# Altium PCB DemetrioGurgel - PCEIoT.PcbDoc (part 2 of 3) (continued)
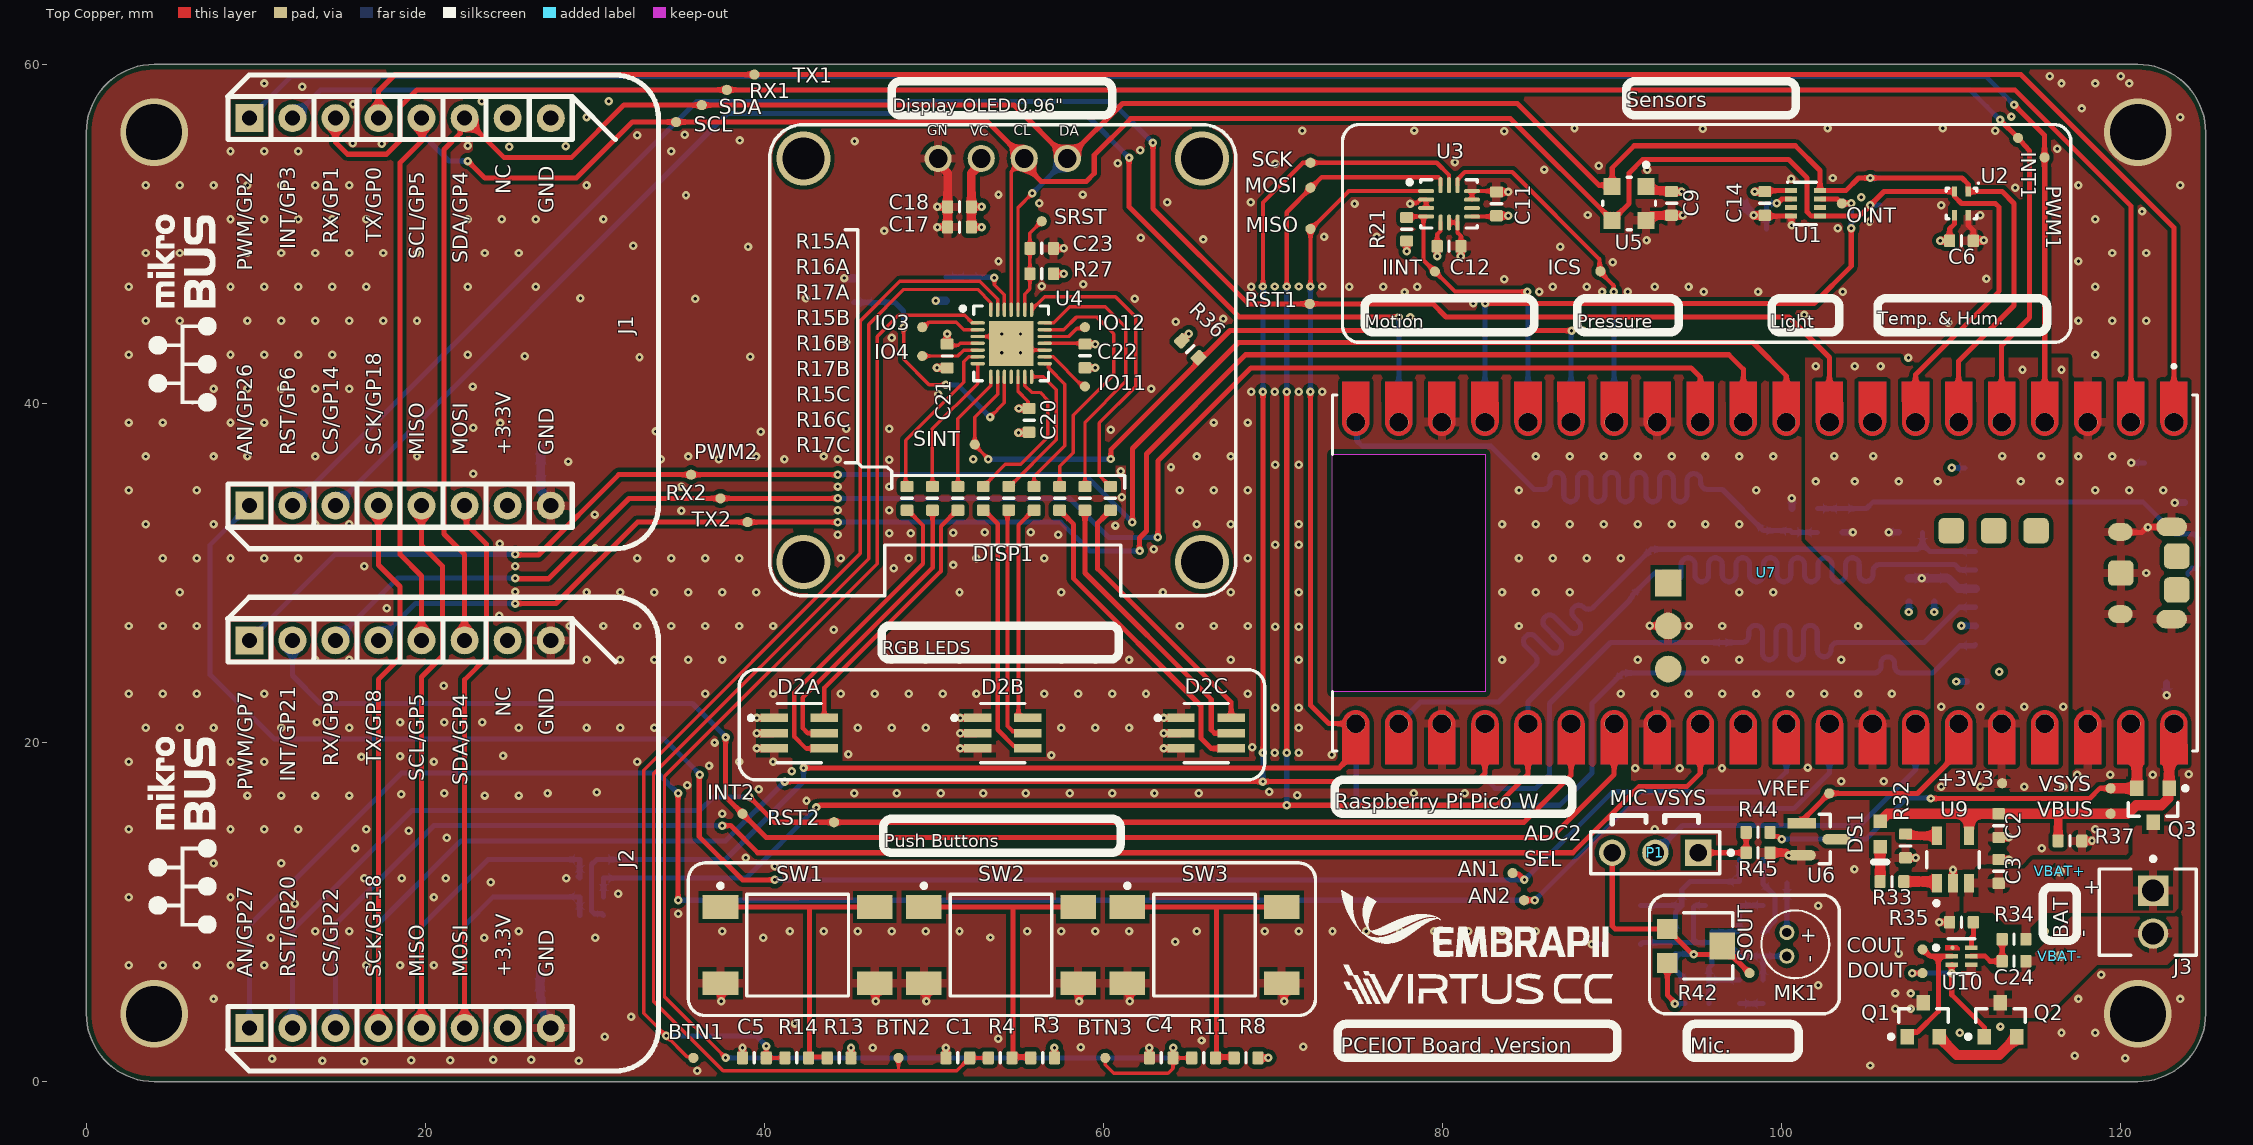
[diagram p0: Top Copper view]
## Nets (pads, with @x,y where several pads share a name; then routed paths per layer and width w, separated by ;. In a path a pad name is that pad's centre, name@x,y a point inside that pad or via, vN(x,y) a via of type N, cw(c..) or ccw(c..) an arc to the next point about the centre after c; other vN are vias at no path point) (continued)
  Bottom Copper w0.3: v1(88.8,8.1) L2.2@89.4,8.1 ; v1(110.024,36.2) SKT1.14@110.8,36.2 ; v1(120.624,36.5) SKT1.13@121.4,36.5
  Bottom Copper w0.4: C19.1@100.6,33.8 v1(100.6,34.4) ; v1(107.5,27.7) C15.2@107.5,28.3 ; v1(109,27.7) C16.2@109,28.3 ; v1(110.3,23.6) SKT1.11@110.9,23.6 ; v1(110.6,26.9) 110.61,26.89 111.42,26.89 SKT1.6@111.43,26.88 ; v1(122.7,22.8) 122.7,23.51 SKT1.12@122.71,23.52 ; v1(123.176,34.153) SKT1.10@123.776,34.153
  Bottom Copper w0.5: C27.2@26.762,6.439 C28.2@26.762,5.003 26.843,4.922 26.843,4.229 27.39,3.681 J2.8@27.39,3.37 ; C26.2@26.8,37.4 C25.2@26.8,36.1 26.8,34.871 27.39,34.281 J1.8@27.39,33.97 ; v1(44.7,47.4) R31.2@45.3,47.4 ; v1(50.103,46.062) R30.2@50.703,46.062 ; R20.2@97.65,51.8 v1(98.35,51.1)
  other v1: 36.025,0.65 105.225,0.95 16.4,1.2 13.925,1.225 29.05,1.225 19.15,1.25 21.45,1.25 24,1.3 26.25,1.3 10.95,1.35 120.25,1.375 117.275,1.525 46.375,2 58.65,2.025 71.775,2.05 65.775,2.425 53.775,2.525 30.575,2.65 110.5,2.875 116.5,2.875 118.5,2.875 112.9,3.25 41.775,3.425 32.125,3.825 106.7,4.3 107.6,4.3 70.65,4.75 7.5,4.875 117.5,4.875 123.5,4.875 106.7,5.2 107.6,5.2 102.15,5.675 118.85,6.3 2.5,6.875 4.5,6.875 6.5,6.875 8.5,6.875 10.5,6.875 16.5,6.875 18.5,6.875 20.5,6.875 106.9,7.55 64.225,8.25 10.875,8.475 23.475,8.475 30.025,8.475 39.925,8.475 53.325,8.5 13.5,8.875 15.5,8.875 25.5,8.875 37.5,8.875 41.5,8.875 43.5,8.875 45.5,8.875 47.5,8.875 49.5,8.875 51.5,8.875 55.5,8.875 57.5,8.875 59.5,8.875 61.5,8.875 65.5,8.875 69.5,8.875 71.5,8.875 73.5,8.875 75.5,8.875 77.5,8.875 79.5,8.875 81.5,8.875 83.5,8.875 85.5,8.875 115.5,8.875 34.9,9.9 102.15,10.375 12.3,10.5 2.5,10.875 8.5,10.875 20.5,10.875 31.375,11.075 23.85,11.75 16.4,12 18.6,12 21.2,12 28.3,12 104.289,12.533 40.6,12.7 7.5,12.875 11.5,12.875 38.9,13.2 15.85,13.775 115.325,13.775 21.25,14.375 19.025,14.8 2.5,14.875 8.5,14.875 10.5,14.875 12.5,14.875 16.5,14.875 92.5,14.875 118.5,14.875 37.5,15.8 42.475,16.575 9.5,16.875 11.5,16.875 13.5,16.875 15.5,16.875 23.5,16.875 25.5,16.875 71.425,16.9 18.575,16.95 21.1,17 27.2,17 45.3,17 47.8,17 50.4,17 52.9,17 55.4,17 58,17 60.5,17 63,17 65.6,17 78.3,17 81.3,17 30.1,17.075 69.775,17.1 39.65,17.25 35.45,17.475 103.5,17.725 106.025,17.725 117.425,18.1 119.375,18.1 121.875,18.1 124,18.125 41.6,18.3 91.35,18.475 93.975,18.475 96.475,18.475 101.525,18.525 36.725,18.625 2.5,18.875 8.5,18.875 10.5,18.875 20.5,18.875 32.5,18.875 38.5,18.875 40.5,18.875 16.225,19.15 18.5,19.2 24.575,19.225 56.925,19.25 73.45,19.275 44.95,19.3 70.1,19.4 71.5,19.4 68.775,19.725 37.05,20 3.5,20.875 5.5,20.875 7.5,20.875 11.5,20.875 15.5,20.875 25.5,20.875 29.5,20.875 31.5,20.875 33.5,20.875 45.5,20.875 47.5,20.875 49.5,20.875 57.5,20.875 59.5,20.875 61.5,20.875 71.5,20.875 13.6,21.2 18.5,21.2 21.1,21.2 23.35,21.2 70.125,22.05 71.5,22.05 2.5,22.875 4.5,22.875 6.5,22.875 10.5,22.875 36.5,22.875 40.5,22.875 44.5,22.875 46.5,22.875 48.5,22.875 50.5,22.875 52.5,22.875 56.5,22.875 58.5,22.875 60.5,22.875 62.5,22.875 68.5,22.875 90.5,22.875 92.5,22.875 94.5,22.875 96.5,22.875 98.5,22.875 100.5,22.875 102.5,22.875 104.5,22.875 106.5,22.875 21.075,23.35 112.825,24.175 13.5,24.875 15.5,24.875 29.5,24.875 31.5,24.875 33.5,24.875 35.5,24.875 37.5,24.875 47.5,24.875 49.5,24.875 51.5,24.875 57.5,24.875 59.5,24.875 61.5,24.875 67.5,24.875 71.5,24.875 83.5,24.875 91.5,24.875 95.5,24.875 97.5,24.875 103.5,24.875 44.075,26.65 70.125,26.825 71.5,26.825 2.5,26.875 4.5,26.875 6.5,26.875 28.5,26.875 30.5,26.875 32.5,26.875 34.5,26.875 36.5,26.875 38.5,26.875 40.5,26.875 48.5,26.875 50.5,26.875 52.5,26.875 56.5,26.875 58.5,26.875 64.5,26.875 66.5,26.875 68.5,26.875 84.5,26.875 94.5,26.875 96.5,26.875 104.5,26.875 24.35,27.475 17.725,27.925 5.5,28.875 29.5,28.875 31.5,28.875 33.5,28.875 35.5,28.875 37.5,28.875 39.5,28.875 51.5,28.875 57.5,28.875 63.5,28.875 67.5,28.875 71.5,28.875 83.5,28.875 85.5,28.875 87.5,28.875 97.5,28.875 99.5,28.875 25.3,28.9 121.5,30 47.625,30.275 16.4,30.4 25.3,30.4 51.125,30.475 4.5,30.875 6.5,30.875 8.5,30.875 10.5,30.875 12.5,30.875 32.5,30.875 34.5,30.875 36.5,30.875 38.5,30.875 44.5,30.875 48.5,30.875 52.5,30.875 56.5,30.875 68.5,30.875 84.5,30.875 86.5,30.875 88.5,30.875 90.5,30.875 62.95,31.4 30,31.475 70.125,31.675 71.5,31.675 24.375,31.725 44.325,32.25 57.325,32.25 47.35,32.35 48.625,32.35 51.125,32.375 53,32.4 55.7,32.4 60.7,32.8 3.5,32.875 7.5,32.875 13.5,32.875 15.5,32.875 65.5,32.875 67.5,32.875 71.5,32.875 83.5,32.875 85.5,32.875 87.5,32.875 89.5,32.875 91.5,32.875 93.5,32.875 95.5,32.875 97.5,32.875 29.975,33.45 35.1,33.675 44.325,33.7 47.35,33.7 61.075,34.475 2.5,34.875 6.5,34.875 64.5,34.875 66.5,34.875 68.5,34.875 84.5,34.875 98.5,34.875 118.5,34.875 120.5,34.875 122.5,34.875 35.1,35.1 44.325,35.1 47.35,35.1 22.825,35.85 61,36 63.975,36.25 70.125,36.375 71.5,36.375 28.425,36.575 47.35,36.675 33.875,36.7 37.3,36.7 41.175,36.7 44.325,36.7 52.3,36.7 3.5,36.875 7.5,36.875 9.5,36.875 13.5,36.875 19.5,36.875 35.5,36.875 39.5,36.875 43.5,36.875 65.5,36.875 67.5,36.875 85.5,36.875 87.5,36.875 89.5,36.875 91.5,36.875 93.5,36.875 95.5,36.875 97.5,36.875 99.5,36.875 117.5,36.875 119.5,36.875 39.775,38.325 33.575,38.35 60.425,38.45 44.825,38.5 47.35,38.5 22.825,38.575 24.409,38.85 2.5,38.875 4.5,38.875 8.5,38.875 10.5,38.875 66.5,38.875 68.5,38.875 50.25,40.55 68.7,40.7 70.1,40.7 71.5,40.7 72.9,40.7 7.5,40.875 9.5,40.875 11.5,40.875 13.5,40.875 15.5,40.875 62.8,40.875 22.8,41 107.475,42.7 32.625,42.725 39.15,42.75 25.85,42.775 2.5,42.875 8.5,42.875 10.5,42.875 12.5,42.875 14.5,42.875 22.5,42.875 118.5,42.875 54,43 55.1,43 44.825,43.6 47.5,43.875 54,44.1 55.1,44.1 88.3,44.3 109.825,44.775 64.25,44.825 3.5,44.875 5.5,44.875 9.5,44.875 11.5,44.875 13.5,44.875 15.5,44.875 17.5,44.875 19.5,44.875 117.5,44.875 119.5,44.875 121.5,44.875 67.05,45 78.1,45.1 101.325,45.225 81.8,45.9 35.918,46.168 42.443,46.193 61.825,46.175 29.143,46.218 77.75,46.575 85.7,46.6 89.4,46.6 90.925,46.6 95.4,46.6 98.6,46.6 103.6,46.6 2.5,46.875 8.5,46.875 10.5,46.875 12.5,46.875 14.5,46.875 16.5,46.875 22.5,46.875 26.5,46.875 68.7,46.875 74.5,46.875 76.5,46.875 78.5,46.875 86.5,46.875 88.5,46.875 92.5,46.875 94.5,46.875 118.5,46.875 70.1,46.9 71.5,46.9 72.9,46.9 56.35,46.925 58.8,47.025 83.625,47.325 112.075,47.35 90.025,48.325 53.8,48.4 117.5,48.4 3.5,48.875 5.5,48.875 9.5,48.875 11.5,48.875 13.5,48.875 15.5,48.875 17.5,48.875 19.5,48.875 23.5,48.875 25.5,48.875 119.5,48.875 121.5,48.875 39.025,49.25 86.925,49.25 32.25,49.3 92.025,49.625 65.875,49.675 62.2,49.775 73,49.825 76.1,49.825 47.05,50.175 103.297,50.325 105.175,50.725 8.5,50.875 10.5,50.875 12.5,50.875 14.5,50.875 16.5,50.875 22.5,50.875 24.5,50.875 26.5,50.875 30.5,50.875 118.5,50.875 111.7,51.1 88.558,51.117 121.25,51.325 109.4,51.7 74.8,51.775 56.2,51.8 63.75,51.875 68.675,51.875 104.7,52.175 35.368,52.293 53.8,52.325 58.775,52.325 113.775,52.725 3.5,52.875 5.5,52.875 7.5,52.875 9.5,52.875 11.5,52.875 13.5,52.875 15.5,52.875 29.5,52.875 117.5,52.875 123.5,52.875 100.55,53.25 102.997,53.3 92.075,53.775 86,53.8 89.2,54.025 70.125,54.15 60.825,54.175 80.725,54.225 8.5,54.875 10.5,54.875 12.5,54.875 34.5,54.875 62.165,54.941 116.25,55.025 24.95,55.15 28.275,55.175 22.5,55.2 17.425,55.325 15.7,55.35 45.309,55.463 38.534,55.513 32.5,55.825 35.3,55.85 71.725,56.075 83.633,56.067 112.6,56.075 78.325,56.1 95.35,56.2 87.775,56.225 102.7,56.225 109.5,56.225 29.5,56.875 123.5,56.875 113.55,56.925 117.7,57.4 15.725,57.65 23.325,57.825 30.8,57.825 12.725,58.675 10.5,58.875 116.5,58.875 118.5,58.875 120.5,58.875 115.8,59.3 120,59.3
  other v2: 4,4 121,4 4,56 121,56
GP0/MB1_TX: J1.13 TX1.1 U7.1 | length 123.1
  Top Copper w0.3: J1.13@17.23,56.83 17.23,58.43 18.2,59.4 TX1.1@39.4,59.4 39.746,59.4 114.1,59.4 123.132,50.368 U7.1@123.132,38.893
GP1/MB1_RX: J1.14 RX1.1 U7.2 | length 125.8
  Top Copper w0.3: J1.14@14.69,56.83 14.69,55.41 15.4,54.7 17.7,54.7 18.5,55.5 18.5,57.5 19.5,58.5 RX1.1@37.778,58.5 ; RX1.1@37.981,58.5 38.372,58.5 113.75,58.5 120.592,51.658 U7.2@120.592,38.893
GP2/MB1_PWM: J1.16 PWM1.1 U7.4 | length 125.3
  Top Copper w0.3: v1(113.7,57.625) 115.5,55.825 115.5,53.912 115.512,53.9 U7.4@115.512,38.893
  Bottom Copper w0.3: J1.16@9.61,56.83 12.08,59.3 112.025,59.3 v1(113.7,57.625)
GP3/MB1_INT: INT1.1 J1.15 U7.5 | length 121.4
  Top Copper w0.3: v1(112.875,56.725) INT1.1@113.934,55.666 114.35,55.201 114.625,54.894 114.625,45.075 112.972,43.422 U7.5@112.972,38.893
  Bottom Copper w0.3: J1.15@12.15,56.83 13.82,58.5 111.1,58.5 112.093,57.507 v1(112.875,56.725)
GP4/I2C0_SDA: DISP1.4 J1.11 J2.11 R23.1 SDA.1 U1.8 U2.1 U4.24 U5.2 U7.6 | length 159.7
  Top Copper w0.2: U4.24@54.95,45.525 54.95,51.54 55.8,52.39 v1(55.8,52.4)
  Top Copper w0.3: J2.11@22.31,26.03 22.31,31.09 21.1,32.3 21.1,54.982 22.052,55.934 22.052,56.572 J1.11@22.31,56.83 24.64,54.5 28.6,54.5 31.7,57.6 SDA.1@36.294,57.6 54.71,57.6 DISP1.4@57.86,54.45 61.11,57.7 84.4,57.7 89.226,52.874 89.926,52.874 U5.2@90,52.8 90,53.9 91.3,55.2 100.797,55.2 102.257,53.74 U1.8@102.257,52.55 ; U1.8@102.357,52.55 103.775,52.55 104.525,53.3 v1(105.225,53.3) 110.625,53.3 111,52.925 U2.1@111,52.5 113,52.5 113.7,51.8 113.7,45.775 110.432,42.507 U7.6@110.432,38.893
  Bottom Copper w0.3: v1(55.8,52.4) 55.805,52.4 57.855,54.45 DISP1.4@57.86,54.45 ; v1(105.225,53.3) R23.1@105.797,53.3 ; U7.6@110.4,38.925 U7.6@110.432,38.893
GP5/I2C0_SCL: DISP1.3 J1.12 J2.12 R22.1 SCL.1 U1.5 U2.2 U4.25 U5.3 U7.7 | length 165.4
  Top Copper w0.2: U4.25@54.55,45.525 54.55,53.68 DISP1.3@55.32,54.45
  Top Copper w0.3: J2.12@19.77,26.03 19.77,29.83 18.5,31.1 18.5,54.2 19.8,55.5 19.8,56.8 J1.12@19.77,56.83 ; v1(22.5,54.3) 23.5,53.3 28.9,53.3 32.2,56.6 SCL.1@34.783,56.6 53.17,56.6 DISP1.3@55.32,54.45 55.32,54.098 56.318,53.1 58.975,53.1 59.45,53.575 59.45,54.65 61.6,56.8 84,56.8 U5.3@90,50.8 91,51.8 91,53.6 91.8,54.4 100.397,54.4 101.497,53.3 101.497,51.3 101.747,51.05 102.357,51.05 104.575,51.05 106.025,52.5 U2.2@110.2,52.5 110.2,52.2 110.6,51.8 112.6,51.8 112.825,51.575 112.825,46.625 107.892,41.692 U7.7@107.892,38.893
  Bottom Copper w0.3: J1.12@19.77,56.83 19.919,56.681 19.919,55.775 21.394,54.3 v1(22.5,54.3) ; v1(105.225,51.7) R22.1@105.797,51.7
GP6/MB1_RST: J1.2 RST1.1 U7.9 | length 112.9
  Top Copper w0.3: v1(62.911,55.367) 62.911,51.489 68.525,45.875 72.659,45.875 72.953,45.875 79.425,45.875 80.2,45.1 100.425,45.1 102.812,42.713 U7.9@102.812,38.893
  Bottom Copper w0.3: J1.2@12.15,33.97 35.98,57.8 60.478,57.8 v1(62.911,55.367)
GP7/MB2_PWM: J2.16 PWM2.1 U7.10 | length 106.4
  Top Copper w0.3: v1(25.3,31.1) 25.338,31.062 26.662,31.062 31.4,35.8 v1(44.325,35.8) ; v1(61.7,33) 61.7,37.35 67.95,43.6 98.3,43.6 100.272,41.628 U7.10@100.272,38.893
  Bottom Copper w0.3: J2.16@9.61,26.03 14.68,31.1 v1(25.3,31.1) ; v1(44.325,35.8) 58.9,35.8 v1(61.7,33)
GP8/MB2_TX: J2.13 TX2.1 U7.11 | length 95.5
  Top Copper w0.3: v1(25.3,28.2) 27.7,28.2 32.5,33 v1(44.325,33) ; v1(62.125,31.3) 62.113,31.312 62.113,32.064 62.525,32.476 62.525,37.025 68.375,42.875 96.875,42.875 97.732,42.018 U7.11@97.732,38.893
  Bottom Copper w0.3: J2.13@17.23,26.03 19.4,28.2 v1(25.3,28.2) ; v1(44.325,33) 57.475,33 59.175,31.3 v1(62.125,31.3)
GP9/MB2_RX: J2.14 RX2.1 U7.12 | length 94.6
  Top Copper w0.3: v1(25.3,29.7) 25.338,29.662 27.262,29.662 32,34.4 v1(44.325,34.4) ; v1(63.2,32.1) 63.2,36.6 68.7,42.1 94.65,42.1 95.2,41.55 95.2,38.9 U7.12@95.192,38.893
  Bottom Copper w0.3: J2.14@14.69,26.03 18.36,29.7 v1(25.3,29.7) ; v1(44.325,34.4) 58,34.4 60.3,32.1 v1(63.2,32.1) ; U7.12@95.192,38.893 U7.12@95.2,38.9
GP10/MOT_CSn: ICS.1 U3.12 U7.14 | length 21
  Top Copper w0.25: U3.12@80.875,52.875 80.875,53.225 81.3,53.65 84.1,53.65 89.249,48.501 89.249,47.8 90.083,46.967 90.083,46.617 v1(90.1,46.6)
  Bottom Copper w0.3: U7.14@90.112,38.893 v1@90.112,46.588
GP11/SX_INTn: R36.1 SINT.1 U4.9 U7.15 | length 49.1
  Top Copper w0.2: v1(53.2,36.7) 53.2,36.741 52.4,37.541 SINT.1@52.4,37.581 52.4,39.2 53.75,40.55 U4.9@53.75,41.575
  Top Copper w0.3: v1(60.425,36.725) 60.425,37.275 67.45,44.3 v1(87.6,44.3)
  Bottom Copper w0.3: v1(53.2,36.7) 53.212,36.712 60.413,36.712 v1(60.425,36.725) ; U7.15@87.572,38.893 87.572,44.272 v1(87.6,44.3)
GP12/ICM_INT1: IINT.1 R21.2 U3.4 U7.16 | length 18.5
  Top Copper w0.25: R21.2@77.825,51.025 U3.4@78.875,51.025 ; v1(85,46.6) 80.725,46.6 79.9,47.425 78.875,48.45 U3.4@78.875,51.025 ; U3.4@78.875,51.025 U3.4@79.025,51.025 U3.4@78.875,51.025
  Bottom Copper w0.3: v1(85,46.6) 85.032,46.568 U7.16@85.032,38.893
GP13/OPT_INT: OINT.1 R12.2 U1.7 U7.17 | length 35.8
  Top Copper w0.3: v1(82.5,45.9) 101.9,45.9 104.097,48.097 v1(104.097,50.325) ; U1.7@102.357,52.05 103.293,52.05 OINT.1@103.543,51.8 v1(104.097,51.8)
  Bottom Copper w0.3: U7.17@82.492,38.893 82.492,45.892 v1(82.5,45.9) ; R12.2@103.397,51.8 v1(104.097,51.8) v1(104.097,50.325)
GP14/MB1_CS: J1.3 U7.19 | length 85.2
  Top Copper w0.3: v1(61.5,54.5) 61.5,51.6 68,45.1 v1(77.4,45.1)
  Bottom Copper w0.3: J1.3@14.69,33.97 37.82,57.1 58.9,57.1 v1(61.5,54.5) ; v1(77.4,45.1) 77.412,45.088 U7.19@77.412,38.893
GP16/SPI0_RX: MISO.1 NT4.1 R5.1 R7.1 U3.1 U7.21 | length 92.4
  Top Copper w0.25: v1(72.2,46.9) 72.2,50.261 74.464,52.525 U3.1@79.025,52.525
  Top Copper w0.3: v1(42.3,18.5) 73.9,18.5 74.872,19.472 U7.21@74.872,21.113 73.287,21.113 72.2,22.2 v1(72.2,40.7)
  Bottom Copper w0.3: R7.1@30.5,9.8 30.4,9.9 29.976,9.9 29.8,10.076 29.8,12.8 30.1,13.1 R5.1@30.5,13.1 37.7,13.1 42.3,17.7 v1(42.3,18.5) ; v1(72.2,40.7) v1(72.2,46.9)
GP17/SPI0_CSn: NT1.1 U7.22
GP18/SPI0_SCK: J1.4 J2.4 NT2.1 SCK.1 U3.13 U7.24 | length 156.4
  Top Copper w0.25: v1(69.4,46.9) 69.4,51.85 71.751,54.201 72.044,54.201 SCK.1@72.122,54.122 ; SCK.1@72.2,54.2 79.65,54.2 80.375,53.475 U3.13@80.375,52.875
  Top Copper w0.3: J2.4@17.23,3.17 17.23,23.73 18.5,25 18.5,29.2 17.23,30.47 J1.4@17.23,33.97 ; v1(41.2,17.7) v1(69.4,17.7) 82,17.7 82.492,18.192 U7.24@82.492,21.113 ; v1(69.4,19.4) v1(69.4,40.7)
  Bottom Copper w0.3: J2.4@17.23,3.57 17.23,9.33 22.1,14.2 37.7,14.2 v1(41.2,17.7) ; v1(69.4,17.7) v1(69.4,19.4) ; v1(69.4,40.7) v1(69.4,46.9)
GP19/SPI0_TX: MOSI.1 NT3.1 R6.1 R9.1 U3.14 U7.25 | length 106.5
  Top Copper w0.25: v1(70.8,46.9) 70.8,51.281 72.249,52.729 72.869,53.35 79.75,53.35 79.875,53.225 U3.14@79.875,52.875
  Top Copper w0.3: v1(43.048,16.171) 43.102,16.171 43.231,16.3 v1(70.8,16.3) 83.2,16.3 85.032,18.132 U7.25@85.032,21.113 ; v1(70.8,19.4) v1(70.8,40.7)
  Bottom Copper w0.3: R9.1@30.5,10.9 R6.1@30.5,12 38.9,12 43.048,16.148 v1(43.048,16.171) ; v1(70.8,16.3) v1(70.8,19.4) ; v1(70.8,40.7) v1(70.8,46.9) ; NT3.1@85.027,21.118 U7.25@85.032,21.113
GP20/MB2_RST: J2.2 RST2.1 U7.26 | length 88.9
  Top Copper w0.3: v1(39.1,16.8) 40.6,15.3 RST2.1@44.1,15.3 84.8,15.3 87.572,18.072 U7.26@87.572,21.113
  Bottom Copper w0.3: J2.2@12.15,3.57 12.15,8.95 19.2,16 36.2,16 37,16.8 v1(39.1,16.8)
GP21/MB2_INT: INT2.1 J2.15 U7.27 | length 90.6
  Top Copper w0.3: v1(37.7,20.3) 37.7,16.8 INT2.1@38.7,15.8 40.1,14.4 86.4,14.4 90.112,18.112 U7.27@90.112,21.113
  Bottom Copper w0.3: J2.15@12.15,26.03 12.15,23.95 13.8,22.3 35.754,22.3 37.7,20.354 v1(37.7,20.3)
GP22/MB2_CS: J2.3 U7.29 | length 94.2
  Top Copper w0.3: v1(37.5,15.1) 38,15.1 39.6,13.5 87.675,13.5 91.575,17.4 94.4,17.4 95.192,18.192 U7.29@95.192,21.113
  Bottom Copper w0.3: J2.3@14.69,3.57 14.69,9.29 20.5,15.1 v1(37.5,15.1)
GP26/MB1_ADC: AN1.1 J1.1 U7.31 | length 119.5
  Top Copper w0.3: v1(36.175,18.1) 36.15,18.075 36.15,14.45 38.7,11.9 v1(40.6,11.9) ; AN1.1@84.124,12.3 84.181,12.243 84.481,12.243 v1(84.824,11.9) ; 100.272,19.072 U7.31@100.272,21.113
  Bottom Copper w0.3: J1.1@9.61,33.97 7.3,31.66 7.3,24 11.1,20.2 34.1,20.2 36.175,18.125 v1(36.175,18.1) ; v1(40.6,11.9) v1(84.824,11.9) 90.024,17.1 99.1,17.1 100.272,18.272 U7.31@100.272,21.113
GP27/MB2_ADC: AN2.1 J2.1 U7.32 | length 117.4
  Top Copper w0.3: v1(34.9,10.7) v1(34.9,17) ; AN2.1@84.8,10.7 v1(85.424,10.7) ; 102.812,19.742 U7.32@102.812,21.113
  Bottom Copper w0.3: J2.1@9.61,3.57 9.61,9.21 18.6,18.2 33.7,18.2 v1(34.9,17) ; v1(34.9,10.7) v1(85.424,10.7) 90.824,16.1 100.7,16.1 102.812,18.212 U7.32@102.812,21.113
GP28/ADC2: P1.2 U7.34 | length 20.1
  Bottom Copper w0.3: P1.2@92.54,13.5 94.14,15.1 104.6,15.1 107.892,18.392 U7.34@107.892,21.113
IO3: IO3.1 U4.2 | length 3.6
  Top Copper w0.2: IO3.1@49.3,44.5 49.408,44.5 49.708,44.8 51.3,44.8 51.75,44.35 U4.2@52.575,44.35
IO4: IO4.1 U4.5 | length 3.4
  Top Copper w0.2: IO4.1@49.3,42.8 51.4,42.8 51.75,43.15 U4.5@52.575,43.15
IO11: IO11.1 U4.16 | length 3.1
  Top Copper w0.2: U4.16@56.525,42.75 57.02,42.75 58.693,41.077 58.823,41.077 IO11.1@58.9,41
IO12: IO12.1 U4.19 | length 2.6
  Top Copper w0.2: U4.19@56.525,43.95 57.95,43.95 58.423,44.423 58.823,44.423 IO12.1@58.9,44.5
LED_BA: R17A.2 U4.8 | length 7.3
  Top Copper w0.2: R17A.2@51.404,35.104 51.404,39.104 53.35,41.05 U4.8@53.35,41.575
LED_BB: R17B.2 U4.15 | length 8.6
  Top Copper w0.2: R17B.2@55.904,35.104 55.904,35.704 57.704,37.504 57.704,41.146 56.758,42.092 56.758,42.35 U4.15@56.513,42.35
LED_BC: R17C.2 U4.22 | length 18.1
  Top Copper w0.2: U4.22@55.75,45.525 56.525,46.3 60.7,46.3 61.9,45.1 61.9,41 59.75,38.85 59.75,35.757 R17C.2@60.404,35.104
LED_GA: R16A.2 U4.7 | length 8.4
  Top Copper w0.2: R16A.2@49.904,35.104 49.904,38.504 52.575,41.175 U4.7@52.575,42.35
LED_GB: R16B.2 U4.14 | length 8.7
  Top Copper w0.2: R16B.2@54.404,35.104 54.453,35.104 57.204,37.854 57.204,40.804 56.432,41.575 U4.14@55.75,41.575
LED_GC: R16C.2 U4.21 | length 16.1
  Top Copper w0.2: U4.21@56.525,44.75 57.05,44.75 58,45.7 60.1,45.7 61.3,44.5 61.3,41.3 58.904,38.904 R16C.2@58.904,35.104
LED_RA: R15A.2 U4.6 | length 9.8
  Top Copper w0.2: R15A.2@48.404,35.104 48.319,35.189 48.319,37.819 51.75,41.25 51.75,42.45 52.05,42.75 U4.6@52.575,42.75
LED_RB: R15B.2 U4.13 | length 9.5
  Top Copper w0.2: R15B.2@52.904,35.104 52.953,35.104 53.184,35.334 53.184,35.384 54.204,36.404 55.104,36.404 56.704,38.004 56.704,40.196 56.25,40.65 55.75,40.65 55.35,41.05 U4.13@55.35,41.575
LED_RC: R15C.2 U4.20 | length 15.1
  Top Copper w0.2: U4.20@56.525,44.35 57.65,44.35 58.4,45.1 59.6,45.1 60.6,44.1 60.6,41.7 58.204,39.304 58.204,37.104 57.404,36.304 R15C.2@57.404,35.104
MB1_MISO: J1.5 J2.5 R5.2 R6.2 | length 50
  Top Copper w0.3: J2.5@19.77,3.17 19.77,23.87 21,25.1 21,30.4 19.77,31.63 J1.5@19.77,33.97
  Bottom Copper w0.3: J2.5@19.77,3.17 19.77,9.17 23.7,13.1 R5.2@29.1,13.1 R6.2@29.1,12 R6.2@29,12.1
MB1_MOSI: J1.6 J2.6 R7.2 R9.2 | length 46.5
  Top Copper w0.3: J2.6@22.31,3.17 22.31,23.71 23.6,25 23.6,31.7 22.422,32.878 22.422,33.858 J1.6@22.31,33.97
  Bottom Copper w0.3: J2.6@22.31,3.17 22.31,9.21 24,10.9 R9.2@29.1,10.9 R7.2@29.1,9.8
MIC_OUT: C30.2 P1.3 R42.1 R42.2 SOUT.1 U8.4 | length 17
  Top Copper w0.3: P1.3@90,13.5 90,9.176 90.176,9 R42.1@93.25,9 94.75,7.5 v1@94.811,7.5 ; v1(94.8,7.5) 96,7.5 R42.2@96.5,8 ; R42.2@96.5,8.05 R42.2@96.5,8 ; SOUT.1@98.1,6.4 R42.2@96.5,8
  Bottom Copper w0.3: C30.2@94.3,6 94.3,6.05 94.12,6.23 94.07,6.23 93.725,6.575 U8.4@93.725,7.55 93.75,7.525 94.775,7.525 v1(94.8,7.5)
NetC7_2: C7.2 R1.1 R38.2 | length 4.9
  Bottom Copper w0.3: C7.2@98.9,8.8 98.95,8.8 99.18,9.03 99.18,9.08 99.6,9.5 99.6,10.95 98.9,11.65 R38.2@98.9,11.7 R1.1@98.9,13.1
NetC23_1: C23.1 R27.1 SRST.1 U4.23 | length 5.6
  Top Copper w0.2: U4.23@55.35,45.525 55.35,46.451 55.65,46.751 R27.1@55.65,47.65 C23.1@55.65,49.15 55.65,50.05 SRST.1@56.35,50.75
NetC24_2: C24.2 R34.1 U10.5 | length 3.2
  Top Copper w0.3: U10.5@111.175,7.4 112,7.4 112.3,7.1 C24.2@113,7.1 113,7.4 R34.1@113,8.4
NetC29_1: C29.1 R39.1 R40.2 U8.1 | length 4.6
  Bottom Copper w0.3: U8.1@95.875,8.85 95.9,8.825 97.475,8.825 R40.2@97.5,8.8 R39.1@97.5,10.4 C29.1@98.9,10.4
NetC29_2: C29.2 MK1.P R38.1 | length 2.9
  Bottom Copper w0.3: MK1.P@100.3,8.8 C29.2@100.3,10.4 R38.1@100.3,11.7
NetC30_1: C30.1 R41.2 R43.1 U8.3 | length 4.8
  Bottom Copper w0.3: R43.1@95.7,4.6 95.7,6.7 95.875,6.875 U8.3@95.875,7.55 ; C30.1@95.7,6 R41.2@97.5,6
NetC31_2: C31.2 R41.1 | length 1.4
  Bottom Copper w0.3: R41.1@97.5,4.6 C31.2@98.9,4.6
NetCOUT_1: COUT.1 Q1.1 U10.2 | length 7.6
  Top Copper w0.3: Q1.1@107.4,2.65 107.4,2.673 107.65,2.923 108.013,2.923 109.235,4.144 109.235,7.4 ; COUT.1@108.3,7.8 108.349,7.8 108.749,7.4 109.235,7.4 ; U10.2@110.025,7.4 109.235,7.4
NetD2A_4: D2A.4 R15A.1 | length 19
  Top Copper w0.254: D2A.4@43.525,19.65 42.45,19.65 41.75,20.35 41.75,22.95 49.35,30.55 49.35,32.807 48.453,33.704 R15A.1@48.404,33.704
NetD2A_5: D2A.5 R16A.1 | length 17.4
  Top Copper w0.254: D2A.5@43.525,20.55 42.55,20.55 42.25,20.85 42.25,22.65 49.916,30.316 49.916,33.691 R16A.1@49.904,33.704
NetD2A_6: D2A.6 R17A.1 | length 15.5
  Top Copper w0.254: D2A.6@43.525,21.45 43.525,23.225 50.411,30.111 50.411,32.76 51.354,33.704 R17A.1@51.404,33.704
NetD2B_4: D2B.4 R15B.1 | length 15.6
  Top Copper w0.254: R15B.1@52.904,33.704 52.953,33.704 53.75,32.907 53.75,20.75 54.727,19.773 55.402,19.773 D2B.4@55.525,19.65
NetD2B_5: D2B.5 R16B.1 | length 14.1
  Top Copper w0.254: R16B.1@54.404,33.704 54.33,33.629 54.33,20.97 54.627,20.673 54.703,20.673 ; 54.703,20.673 55.402,20.673 D2B.5@55.525,20.55
NetD2B_6: D2B.6 R17B.1 | length 13.1
  Top Copper w0.254: D2B.6@55.525,21.45 55.098,21.45 54.975,21.573 54.975,32.825 55.854,33.704 R17B.1@55.904,33.704
NetD2C_4: D2C.4 R15C.1 | length 19
  Top Copper w0.3: R15C.1@57.404,33.704 57.453,33.704 57.634,33.523 57.634,33.474 58.236,32.871 58.236,29.664 65.75,22.15 65.75,20.25 66.35,19.65 D2C.4@67.525,19.65
NetD2C_5: D2C.5 R16C.1 | length 17.3
  Top Copper w0.3: R16C.1@58.904,33.704 58.904,29.996 66.35,22.55 66.35,20.75 66.55,20.55 D2C.5@67.525,20.55
NetD2C_6: D2C.6 R17C.1 | length 15.9
  Top Copper w0.3: R17C.1@60.404,33.704 60.354,33.704 60.174,33.523 60.174,33.474 59.65,32.95 59.65,30.25 67.525,22.375 D2C.6@67.525,21.45
NetDOUT_1: DOUT.1 Q2.1 U10.3 | length 7.7
  Top Copper w0.2: v1(107.7,6.4) DOUT.1@108.3,6.4
  Top Copper w0.3: U10.3@110.025,6.9 v1(110.025,6.391) 110.025,5.125 111.95,3.2 Q2.1@111.95,2.875
  Bottom Copper w0.3: v1@107.705,6.395 110.02,6.395 v1(110.025,6.391)
NetDS1_2: DS1.2 R33.2 | length 2.1
  Top Copper w0.6: R33.2@105.8,11.8 DS1.2@105.8,13.85
NetQ1_2: Q1.2 Q2.2 | length 5.4
  Top Copper w0.6: Q1.2@109.3,2.65 109.3,2.6 110.325,1.575 112.825,1.575 113.75,2.5 Q2.2@113.825,2.5
NetR3_1: R3.1 R4.1 SW2.1 SW2.2 | length 19
  Top Copper w0.3: SW2.1@49.403,10.303 54.65,10.303 ; R3.1@55.75,1.45 54.65,1.45 54.65,10.303 ; SW2.2@58.497,10.303 54.65,10.303
NetR8_1: R8.1 R11.1 SW3.1 SW3.2 | length 24.3
  Top Copper w0.3: R8.1@67.75,1.45 66.65,1.45 66.65,10.269 66.619,10.3 ; SW3.2@70.5,10.3 66.619,10.3 ; 66.619,10.3 SW3.1@61.4,10.3 66.619,10.3
NetR10_2: R10.2 R20.1 U1.2 | length 3
  Top Copper w0.3: v1(99.697,51.8) 99.751,51.8 100.001,52.05 U1.2@100.537,52.05
  Bottom Copper w0.3: R10.2@99.097,50.3 99.097,51.8 v1(99.697,51.8)
NetR13_1: R13.1 R14.1 SW1.1 SW1.2 | length 19.1
  Top Copper w0.3: SW1.1@37.4,10.3 42.015,10.3 42.65,10.3 ; R13.1@43.75,1.45 42.65,1.45 42.65,10.3 ; SW1.2@46.5,10.3 42.65,10.3
NetR18_1: R18.1 R26.2 SKT1.9 | length 26
  Bottom Copper w0.3: R26.2@102.1,33.8 R18.1@103.6,33.8 105,33.8 105.4,34.2 121.3,34.2 123.2,32.3 124.3,32.3 124.55,32.05 124.55,30.456 124.374,30.28 124.21,30.28 123.97,30.04 SKT1.9@123.97,29.905
NetR32_2: R32.2 U9.5 | length 1.9
  Top Copper w0.5: R32.2@107.3,14.6 107.35,14.6 107.45,14.5 U9.5@109.15,14.5
NetR33_1: R33.1 U9.1 | length 2
  Top Copper w0.6: R33.1@107.2,11.8 109.15,11.8 U9.1@109.15,11.7
NetR35_2: R35.2 U10.6 | length 1.6
  Top Copper w0.3: U10.6@111.175,7.9 111.2,7.925 111.2,8.5 111.3,8.6 R35.2@111.3,9.4
NetR42_3: R42.3 R43.2 | length 3.2
  Top Copper w0.3: R42.3@93.25,7 93.25,5.104 93.7,4.654 v1(93.7,4.6)
  Bottom Copper w0.3: v1(93.7,4.6) R43.2@94.3,4.6
NetSKT1_1: SKT1.1
NetSKT1_8: SKT1.8
SX15_ADDR0: R19.2 R30.1 U4.26 | length 5
  Top Copper w0.2: v1(53.55,47.425) 53.56,47.415 53.56,47.007 54.15,46.417 U4.26@54.15,45.525
  Bottom Copper w0.3: R30.1@50.703,47.462 R19.2@52.103,47.462 52.121,47.444 53.531,47.444 v1(53.55,47.425)
SX15_ADDR1: R24.2 R31.1 U4.10 | length 15.2
  Top Copper w0.2: v1(48.2,44.5) 48.2,42.6 49.7,41.1 v1(50.7,41.1) ; v1(53.3,39.2) 54.15,40.05 U4.10@54.15,41.575
  Bottom Copper w0.3: R31.1@45.258,45.96 45.3,45.96 46.7,45.96 47.69,45.96 48.2,45.45 v1(48.2,44.5) ; v1(50.7,41.1) 51.4,41.1 v1(53.3,39.2)
VBAT+: C3.1 J3.1 Q3.3 R34.2 U9.3 VBAT+.1
VBAT-: C24.1 J3.2 Q2.3 U10.4 VBAT-.1
VBUS: C2.1 DS1.1 Q3.1 R37.1 U7.40 U9.4 VBUS.1 | length 25
  Top Copper w0.5: R37.1@116.3,14.2 116.3,15.8
  Top Copper w0.6: DS1.1@105.8,15.35 106.25,15.8 111.05,15.8 ; U9.4@111.05,14.5 111.05,15.8 ; U7.40@123.132,21.113 122.85,20.83 Q3.1@122.85,17.3 122.8,17.25 122.8,16.701 122.399,16.3 120.9,16.3 120.4,15.8 VBUS.1@119.4,15.8 116.3,15.8 113.2,15.8 111.05,15.8
VREF: U6.1 U7.35 VREF.1 | length 12.9
  Top Copper w0.3: U6.1@100.943,15.143 100.943,15.148 101.285,15.49 101.29,15.49 VREF.1@102.8,17 108,17 110.3,19.3 110.3,20.98 U7.35@110.432,21.113
VSYS: Q3.2 R44.2 U7.39 VSYS.1 | length 27.1
  Top Copper w0.3: R44.2@99.3,14.7 99.3,14.65 99.48,14.47 99.776,14.47 99.946,14.3 v1(100,14.3) ; v1(108.8,16.7) 118.162,16.7 118.762,17.3 VSYS.1@119.4,17.3
  Top Copper w0.6: VSYS.1@119.4,17.3 120.925,17.3 120.95,17.275 120.95,19.14 120.592,19.498 U7.39@120.592,21.113
  Bottom Copper w0.3: v1(100,14.3) 104.968,14.3 107.406,16.738 108.762,16.738 v1(108.8,16.7)
VSYS_SENSE: P1.1 R44.1 R45.2 | length 4
  Top Copper w0.3: P1.1@95.1,13.52 P1.1@95.08,13.5 R45.2@97.9,13.5 R44.1@97.9,14.7
pads on no net: J1.10 J2.10 U1.3 U1.6 U3.9 U4.11 U6.3 U7.30 U7.37 U7.E U7.G U7.TP2 U7.TP3 U7.TP4 U7.TP5 U7.TP6 U10.1
copper on no net:
  other v3: 42.3,30.65 65.8,30.65 42.3,54.45 65.8,54.45

## Polygon pours and split planes (outlines as drawn)
+3V3 on Bottom Copper "ggg" (solid, pour order 20): 23.4,41.975 23.4,33.1 24.5,32 28.5,32 33.9,37.4 58.65,37.4 68.65,47.4 95.6,47.4 101.4,41.6 101.4,34.775 116.9,34.775 116.9,51.3 110.2,58 91,58 39.425,58
+3V3 on Bottom Copper "+3V3_L04_P021" (solid, pour order 21): 23.4,0 23.4,6.4 24.5,7.5 85.9,7.5 86.8,8.4 86.8,10.2 88.3,11.7 90.9,11.7 90.9,9.2 90.9,3.6 94.1,3.6 109,18.5 109,22.799 116.9,22.8 116.9,16.588 105.901,5.572 105.9,0.045 67.5,0
GND on Bottom Copper "g" (solid, remove dead copper, pour order 25): 0,0 125,0 125,60 0,60
GND on Top Copper "GND_L01_P026" (solid, remove dead copper, pour order 26): 0,0 125,0 125,60 0,60
VBAT+ on Top Copper "VBAT+_L01_P018" (solid, pour order 18): 110.725,12.55 114.289,12.55 114.8,13.1 120.4,13.1 120.7,13.4 120.7,14.9 120.9,15.1 123.2,15.1 123.4,14.9 123.4,10.225 123.15,9.975 115.55,9.975 114.65,9.075 114.65,8.05 114.15,8.05 114.15,9.275 113.141,9.275 112.442,9.975 110.725,9.975
GND on Top Copper "GND_L01_P024" (solid, pour order 24): 108.9,4 108.9,5.3 108.6,5.6 106.4,5.6 106.2,5.4 106.2,4
+3V3 on Top Copper "+3V3_L01_P023" (solid, pour order 23): 109,16.4 109,24.4 101.4,32 101.4,42.7 116.9,42.7 116.9,16.4
GND on Top Copper "GND_L01_P022" (solid, pour order 22): 125,37.5 119,37.5 118,36.5 118,23.5 119,22.5 125,22.5
VBAT- on Top Copper "VBAT-_L01_P019" (solid, pour order 19): 123.4,9.9 117.25,9.9 113.725,6.375 112.425,6.375 111.7,7.1 110.6,7.1 110.6,4.6 111.425,3.775 115.475,3.775 118.6,6.9 122.75,6.9 123.4,7.55